# Altium PCB minnnnnnnn.PcbDoc
Units mm, origin at the board's own origin, x right, y up, seen from the top; angles counter-clockwise.
Board outline 131.62 x 119.43 mm, 2 copper layers (Top Layer, Bottom Layer); 86 components, 76 nets, 379 pads, 123 vias.
Unrouted connection lines stored in the file: 2.
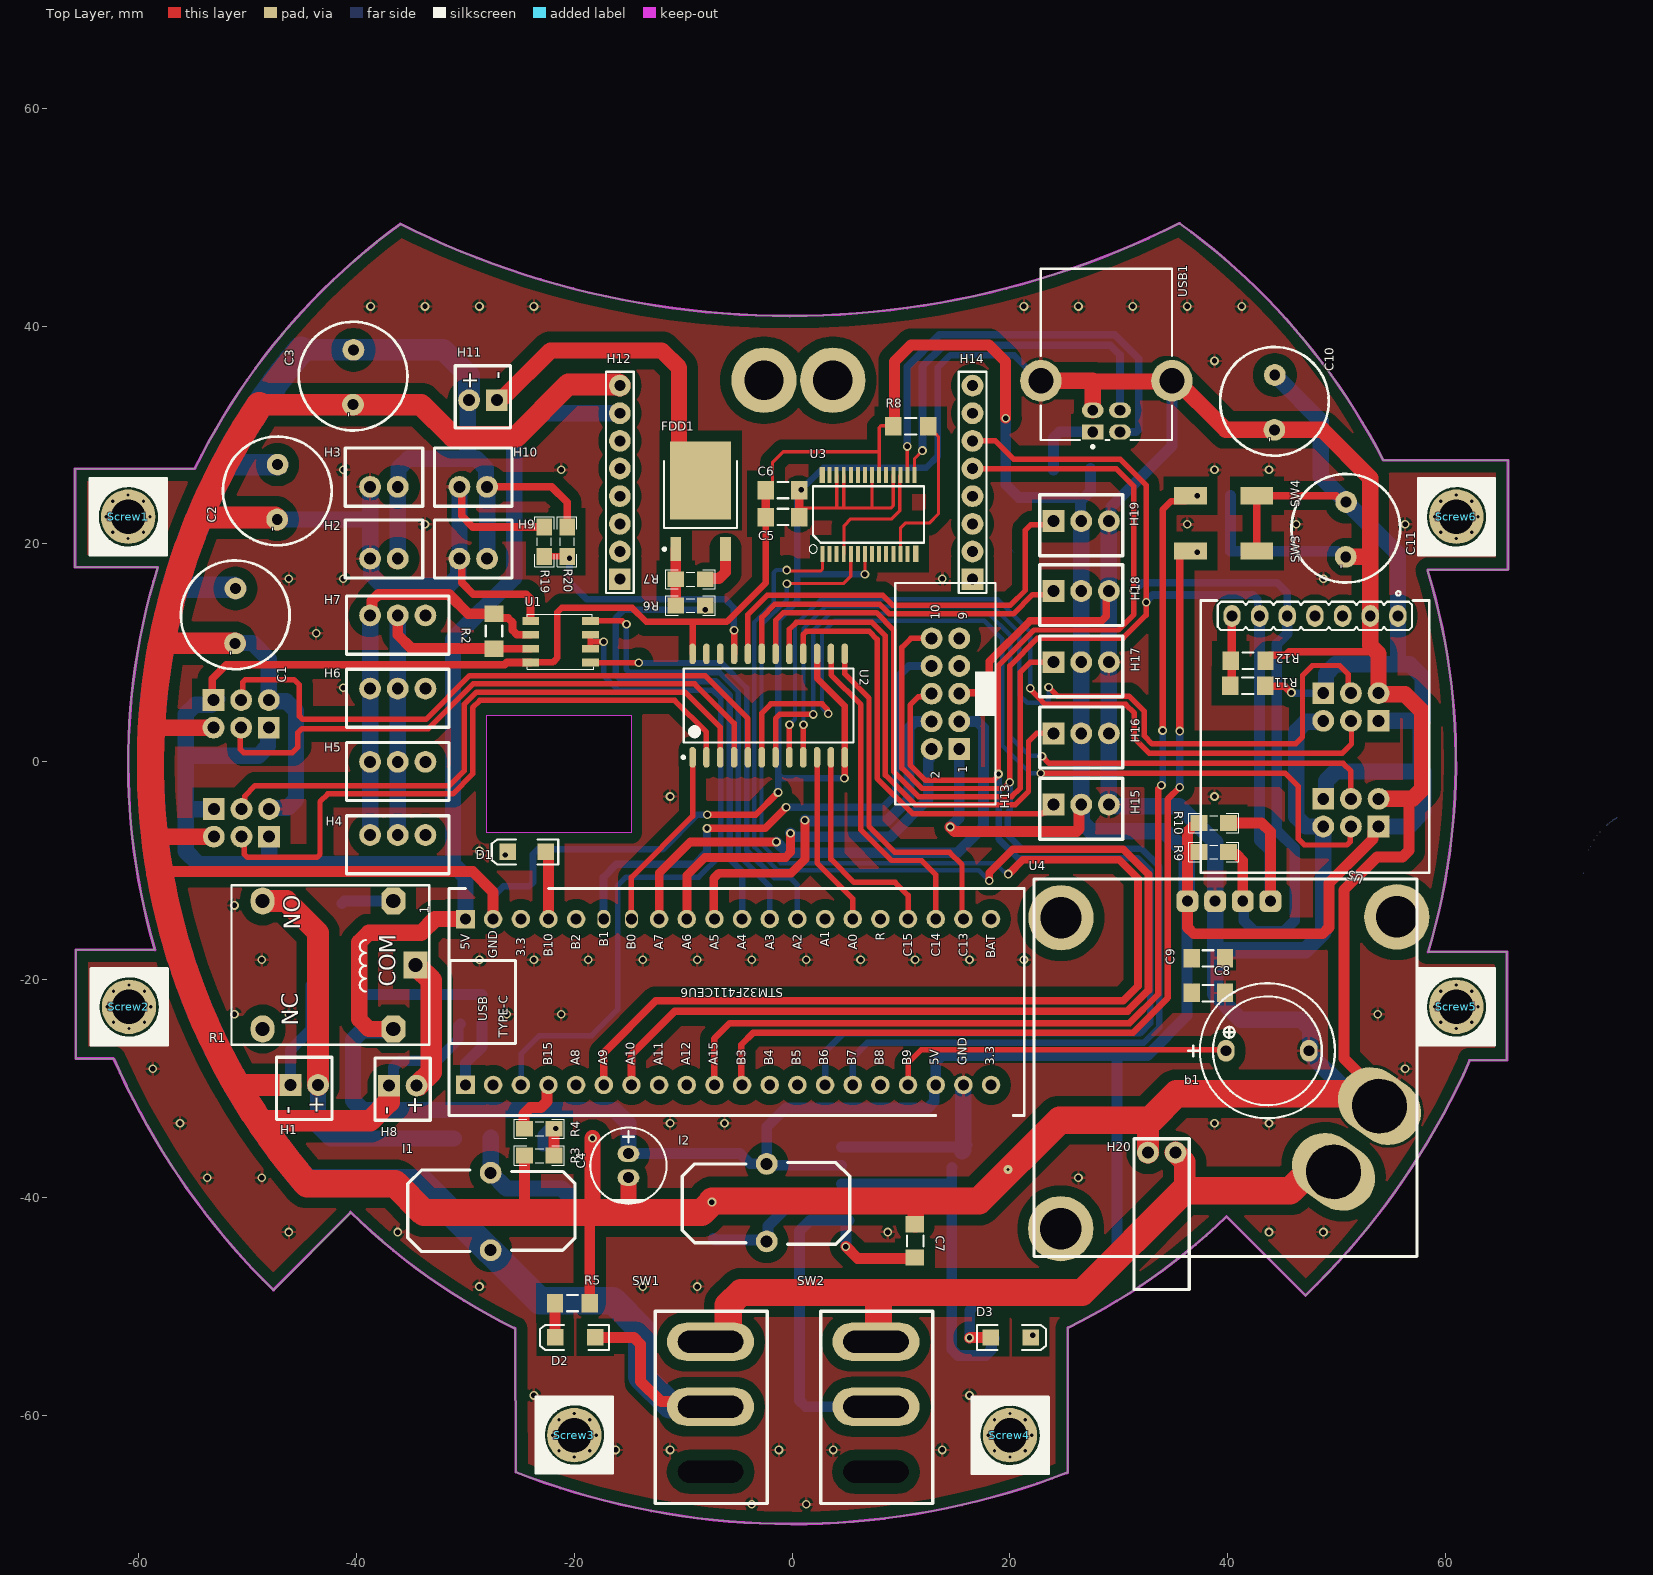
[diagram p0: Top Layer view]
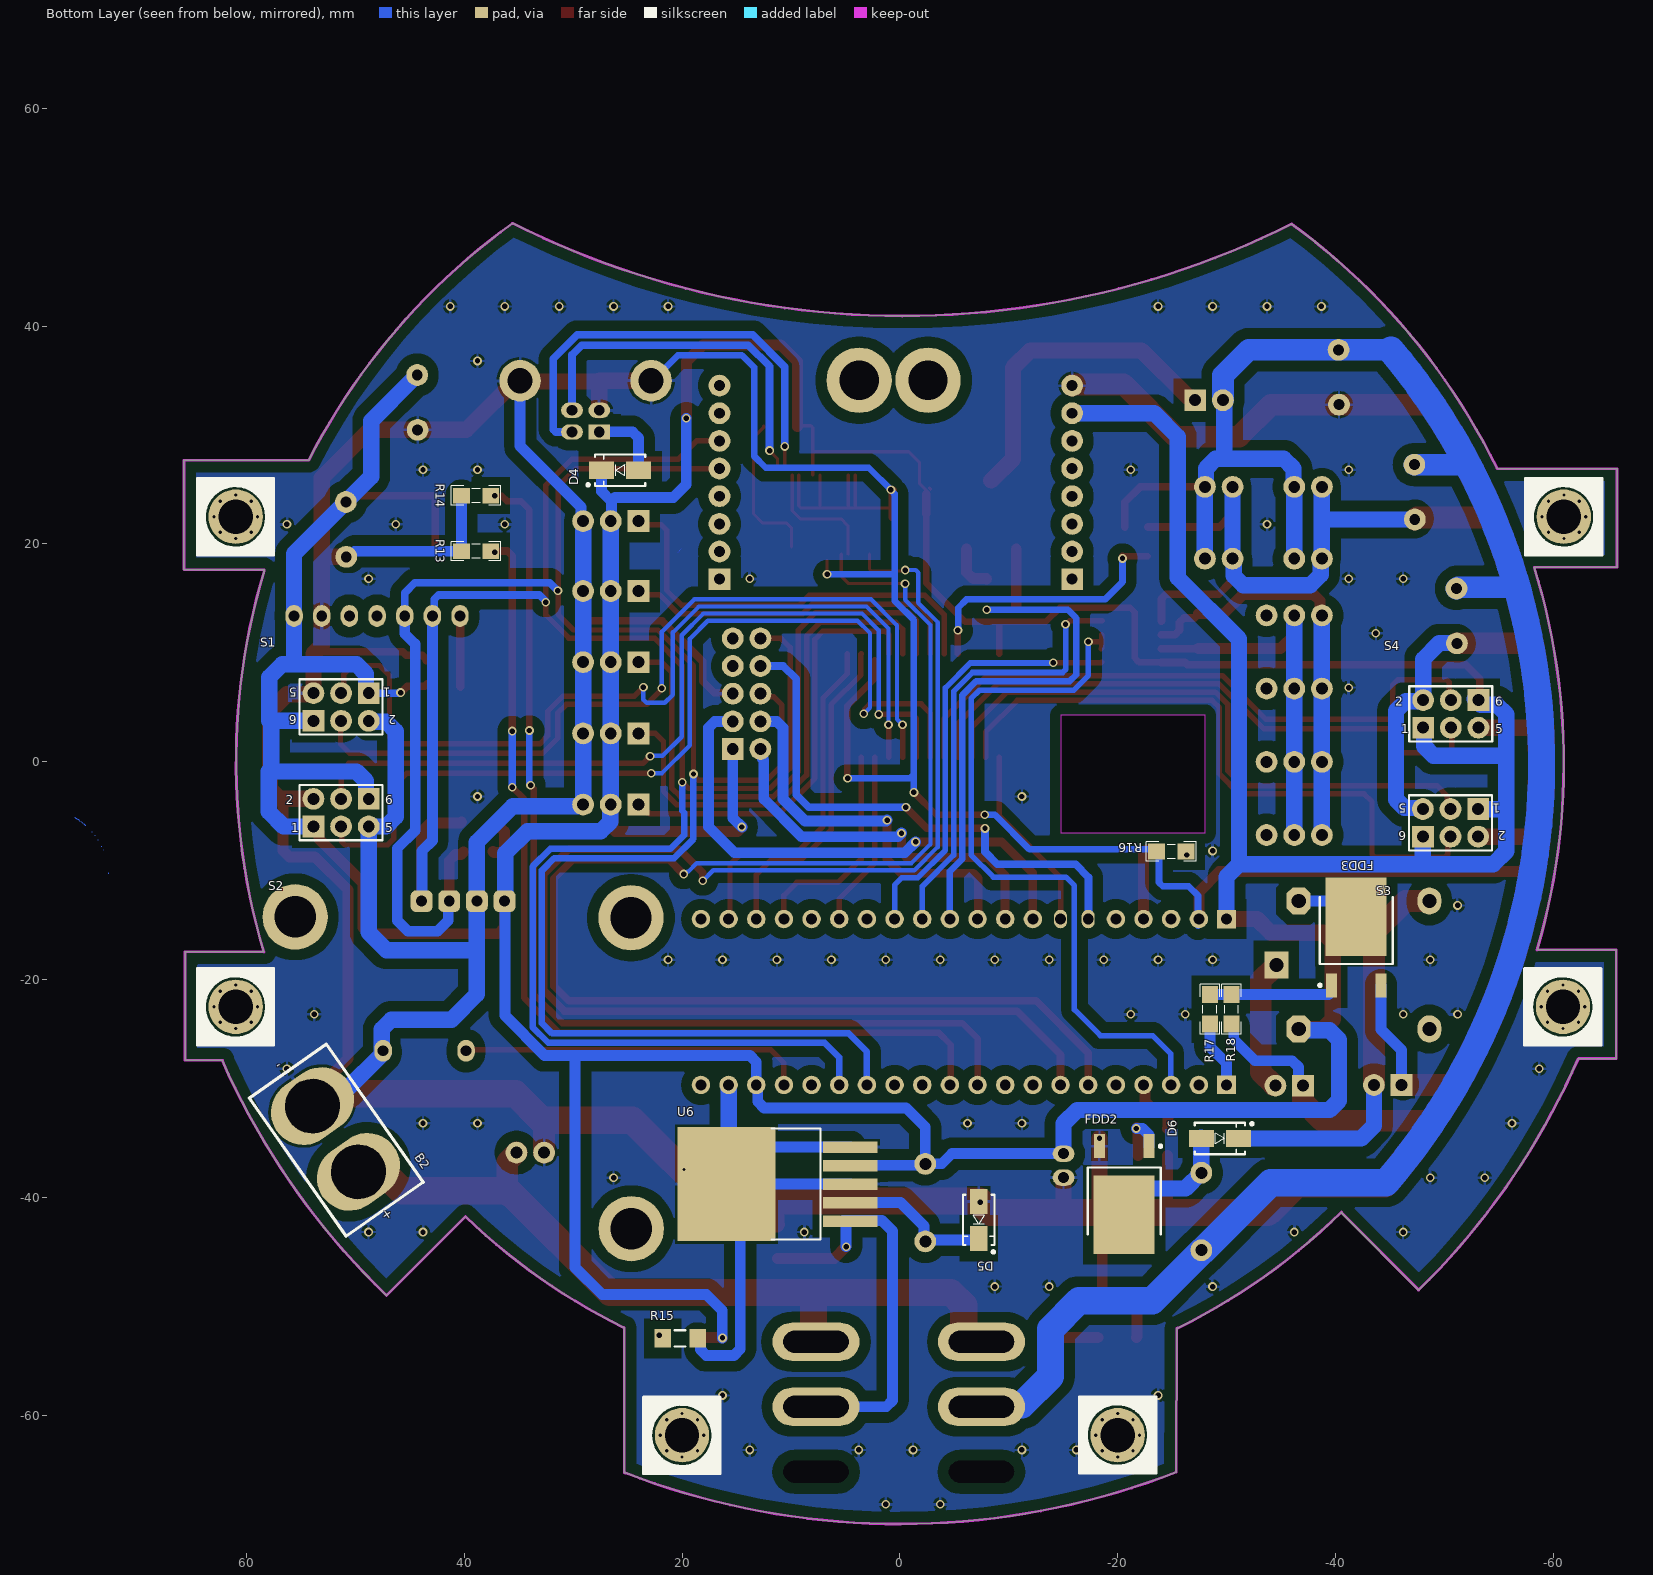
[diagram p1: Bottom Layer view, seen from below]
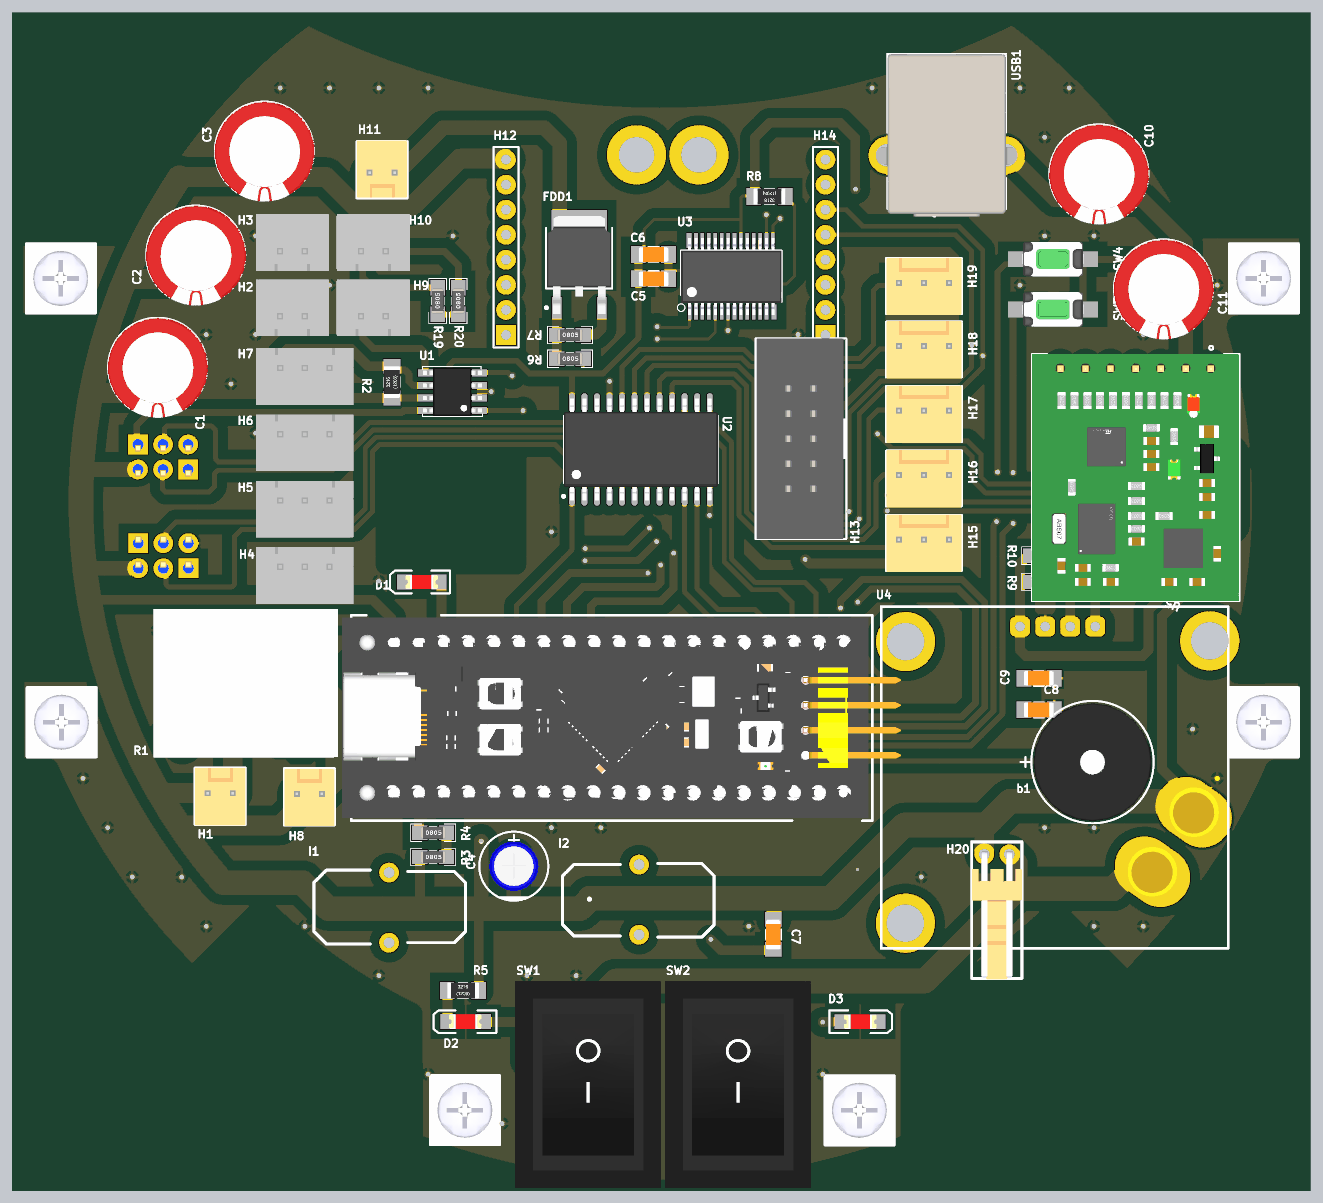
[diagram p2: 3D render of the assembled board from above, using the file's embedded part models]
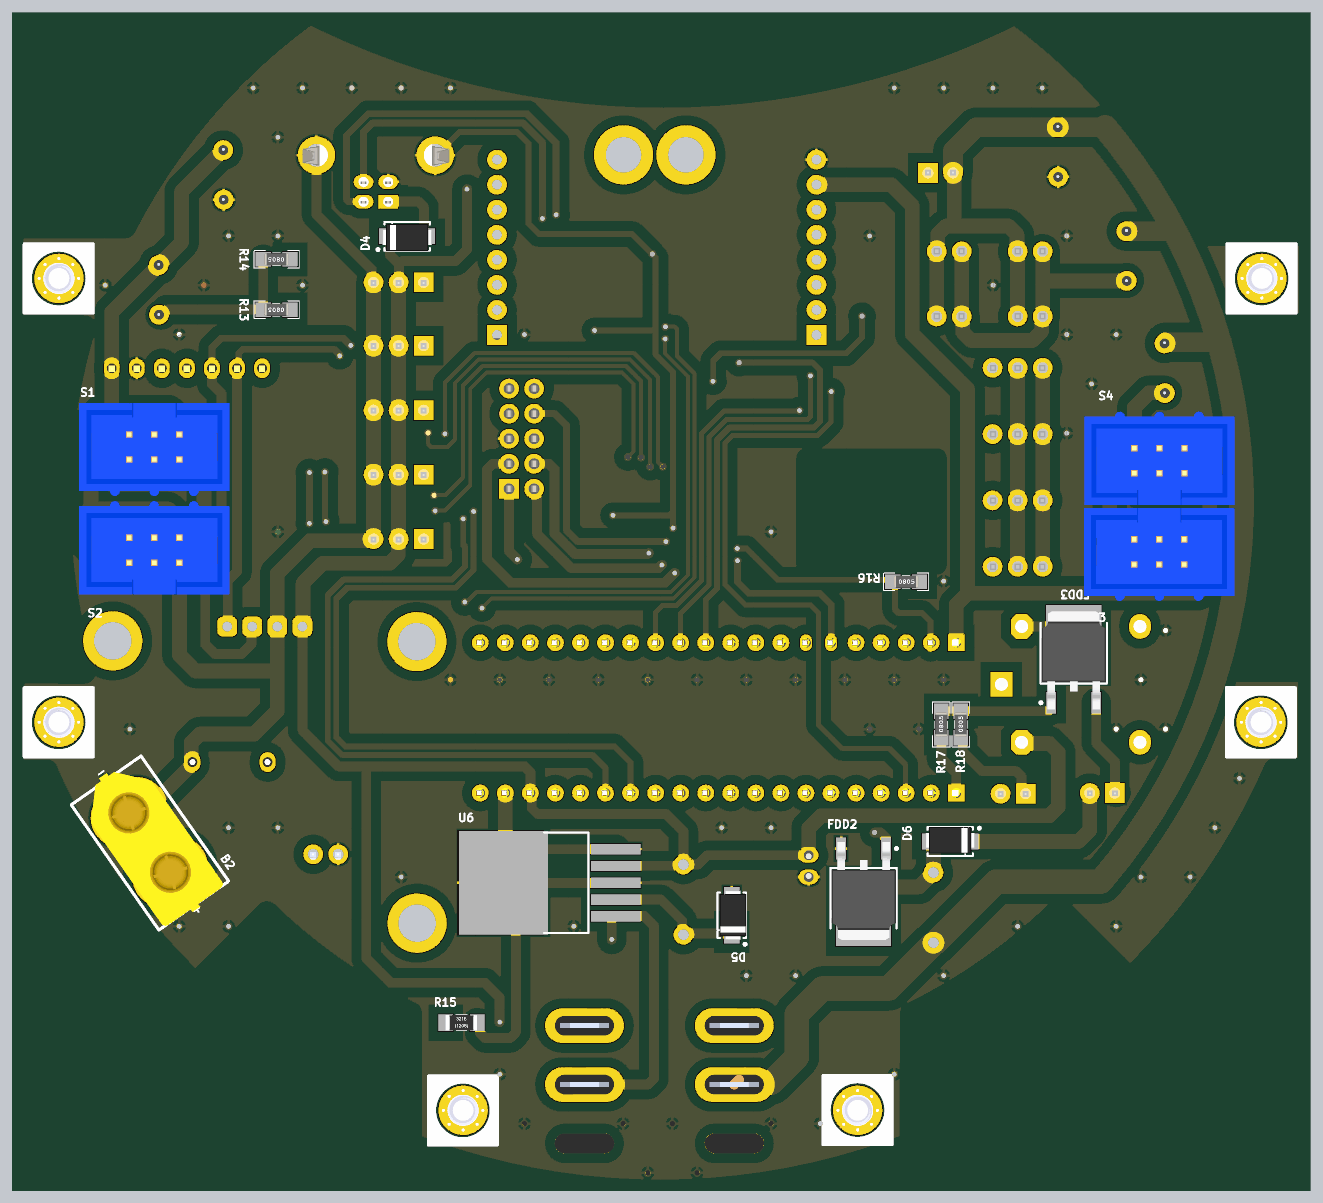
[diagram p3: 3D render of the assembled board from below, using the file's embedded part models]

## Layer stack, top to bottom
Top Solder: solder mask 0.0102, Solder Resist, Dk 3.5
Top Layer: signal copper 0.0356
Dielectric 1: dielectric 0.32, FR-4, Dk 4.8
Bottom Layer: signal copper 0.0356
Bottom Solder: solder mask 0.0102, Solder Resist, Dk 3.5

## Board outline
-47.637,-48.526 cw(c0,0) -62.277,-27.306 -62.332,-27.254 -65.761,-27.254 -65.786,-27.263 -65.786,-17.272 -58.522,-17.272 -58.519,-17.287 cw(c0.025,-0.152) -58.264,17.83 -58.293,17.856 -65.862,17.856 -65.862,26.848 -65.888,26.899 -54.966,26.899 -54.843,26.939 cw(c-0.076,0.076) -36.007,49.371 -35.997,49.392 ccw(c-0.272,120.673) 35.533,49.431 35.593,49.419 cw(c-0.025,-0.102) 54.276,27.689 54.331,27.686 65.735,27.686 65.735,17.653 65.684,17.628 58.369,17.628 58.372,17.517 cw(c-0.051,-0.025) 58.409,-17.446 58.394,-17.468 65.658,-17.451 65.634,-17.45 65.634,-27.407 62.205,-27.407 62.23,-27.413 cw(c0,0) 47.216,-48.935 47.142,-49.022 39.891,-41.77 39.892,-41.771 cw(c-0.186,-0.053) 25.347,-51.963 25.298,-51.973 25.298,-65.278 25.203,-65.306 cw(c0,0) -25.37,-65.241 -25.375,-65.227 -25.425,-52.049 -25.519,-52.011 cw(c0.025,0) -40.566,-41.352 -40.589,-41.453
cut-out: -28.042,-6.528 -28.042,4.267 -14.783,4.267 -14.783,-6.528

## Design rules (kind name [scope] priority, off if disabled: settings)
Clearance [All] p1: gap=0.254 ignorepadtopadclearanceinfootprint=FALSE except(0.5: Fill-Text Fill-Hole Poly-Text Poly-Hole Region-Text Region-Hole; 1: Arc-Fill Arc-Poly Arc-Region Track-Fill Track-Poly Track-Region SMDPad-Fill SMDPad-Poly SMDPad-Region THPad-Fill THPad-Poly THPad-Region Via-Fill Via-Poly Via-Region Fill-Fill Fill-Poly Fill-Region Poly-Poly Poly-Region Region-Region)
ComponentClearance [All] p1 off: gap=0.254 collisioncheckmode=3 verticalgap=0.254 showdistances=FALSE
Height [All] p1: minheight=0 maxheight=50 prefheight=12.7
HoleSize [All] p1: absolutevalues=TRUE maxlimit=50 minlimit=0.025 maxpercent=80.000 minpercent=20.000
PolygonConnect [All] p1: connectstyle=Relief reliefconductorwidth=0.254 reliefentries=4 polygonreliefangle="90 Angle" airgapwidth=0.254
RoutingVias [All] p1: holewidth=0.5 width=0.8 viastyle="Through Hole" minholewidth=0.5 minwidth=0.8 maxholewidth=2 maxwidth=2
SolderMaskExpansion [All] p1: expansion=0.102 istentingtop=FALSE
SupplyNets "Schematic Supply Nets_2" [InNet('+5')] p1: voltage=0.000
SupplyNets "Schematic Supply Nets_1" [InNet('+12')] p2: voltage=0.000
SupplyNets "Schematic Supply Nets" [InNet('GND')] p3: voltage=0.000
Width Width_Power [InNetClass('Power')] p1: maxlimit=5 minlimit=0.5 preferedwidth=3 minimp=50.000000 maximp=50.000000 favimp=50.000000
Width [All] p2: maxlimit=5 minlimit=0.3 preferedwidth=1 minimp=50.000000 maximp=50.000000 favimp=50.000000
27 further rules are at their usual default settings.

## Classes and differential pairs
component class Sheet1.~(21): D5 R17 S1 S2 S3 S4 Screw1 Screw2 Screw3 Screw4 Screw5 Screw6 U5

## Components (designator, comment, footprint, x,y, rotation, side; value= is the part's Value field where it differs from the comment)
1 "BlackPill" BlackPill -3.962,-21.869 r90 top locked (schematic designator *)
b1 "Comment" "BUZZER 7.62mm DC" 43.637,-26.543 r0 top
B2 "Comment" XT60 50.952,-35.89 r325 bottom
C1 "Comment" "MY_CAP_POL 10MM" -51.135,13.389 r270 top
C2 "Comment" "MY_CAP_POL 10MM" -47.269,24.765 r270 top
C3 "Comment" "MY_CAP_POL 10MM" -40.31,35.306 r270 top
C4 "100uf" "Cap 100uF" -14.961,-36.965 r180 top (schematic designator cap2)
C5 "smd" "Cap SMD" -0.889,22.454 r0 top (schematic designator cap3)
C6 "smd" "Cap SMD" -0.889,24.917 r0 top (schematic designator cap23)
C7 "smd" "Cap SMD" 11.278,-43.993 r270 top (schematic designator cap11)
C8 "smd" "Cap SMD" 38.226,-21.234 r180 top (schematic designator cap57)
C9 "smd" "Cap SMD" 38.226,-18.034 r180 top (schematic designator cap1)
C10 "Comment" "MY_CAP_POL 10MM" 44.298,32.995 r270 top
C11 "Comment" "MY_CAP_POL 10MM" 50.851,21.336 r270 top
D1 "SMD 1206 LED" "LED 1206" -24.384,-8.28 r180 top (schematic designator D2)
D2 "SMD" "LED SMD" -20.218,-52.832 r180 top (schematic designator LED2)
D3 "SMD" "LED SMD" 20.371,-52.896 r0 top (schematic designator LED1)
D4 "1n4007" DIOM4629X24N 25.679,26.772 r0 bottom (schematic designator D3)
D5 "1n4007" DIOM4629X24N -7.239,-42.064 r270 bottom (schematic designator D3)
D6 "1n4007" DIOM4629X24N -29.386,-34.595 r180 bottom (schematic designator D3)
FDD1 "Comment" TO252-3M -8.407,23.927 r90 top
FDD2 "Comment" TO252-3M -20.605,-39.706 r270 bottom
FDD3 "Comment" TO252-3M -41.91,-16.129 r90 bottom
H1 "Comment" "H2 MOLEX" -44.806,-30.062 r270 top
H2 "Comment" "XH 2pin" -37.49,19.533 r0 top
H3 "Comment" "XH 2pin" -37.49,26.137 r0 top
H4 "Comment" "XH 3PIN" -36.22,-7.62 r180 top
H5 "Comment" "XH 3PIN" -36.22,-0.897 r180 top
H6 "Comment" "XH 3PIN" -36.22,5.825 r180 top
H7 "Comment" "XH 3PIN" -36.22,12.548 r180 top
H8 "Comment" "H2 MOLEX" -35.763,-30.124 r270 top
H9 "Comment" "XH 2pin" -29.286,19.533 r0 top
H10 "Comment" "XH 2pin" -29.286,26.137 r0 top
H11 "Comment" "H2 MOLEX" -28.397,33.579 r90 top
H12 "Comment" HDR1X8 -15.824,16.764 r90 top locked
H13 "IDC2x5" "IDC 2x5" 13.945,6.299 r180 top locked (schematic designator Socket4)
H14 "Comment" HDR1X8 16.561,16.764 r90 top locked
H15 "Comment" "H3 MOLEX" 26.545,-3.932 r0 top locked
H16 "Comment" "H3 MOLEX" 26.545,2.604 r0 top locked
H17 "Comment" "H3 MOLEX" 26.545,9.141 r0 top locked
H18 "Comment" "H3 MOLEX" 26.545,15.677 r0 top locked
H19 "Comment" "H3 MOLEX" 26.545,22.098 r0 top locked
H20 "Comment" "H2 MOLEX ANGLE" 33.807,-39.573 r90 top
I1 "Comment" inductor -27.813,-41.3 r90 top
I2 "Comment" inductor -2.21,-40.488 r270 top
R1 "Comment" "Relay 18.85x15.35x15.70" -41.602,-18.661 r90 top
R2 "SMD" "Resistor SMD 1206" -27.381,11.989 r90 top (schematic designator RES5)
R3 "Comment" RESC3413X04N -23.216,-36.17 r0 top
R4 "Comment" RESC3413X04N -23.216,-33.706 r0 top
R5 "SMD" "Resistor SMD 1206" -20.186,-49.708 r0 top (schematic designator RES9)
R6 "Comment" RESC3413X04N -9.337,14.351 r0 top
R7 "Comment" RESC3413X04N -9.337,16.764 r0 top
R8 "SMD" "Resistor SMD 1206" 10.885,30.81 r180 top (schematic designator RES1)
R9 "1K" RESC3413X04N 38.713,-8.28 r180 top (schematic designator R34)
R10 "1K" RESC3413X04N 38.713,-5.612 r180 top (schematic designator R35)
R11 "SMD" "Resistor SMD 1206" 41.834,6.985 r0 top (schematic designator RES2)
R12 "SMD" "Resistor SMD 1206" 41.859,9.271 r180 top (schematic designator RES3)
R13 "Comment" RESC3413X04N 38.913,19.329 r0 bottom
R14 "Comment" RESC3413X04N 38.913,24.435 r0 bottom
R15 "SMD" "Resistor SMD 1206" 20.168,-52.959 r180 bottom (schematic designator RES8)
R16 "1K" RESC3413X04N -24.917,-8.255 r180 bottom (schematic designator R22)
R17 "Comment" RESC3413X04N -28.473,-22.733 r90 bottom
R18 "Comment" RESC3413X04N -30.463,-22.733 r90 bottom
R19 "Comment" RESC3413X04N -22.758,20.201 r90 top
R20 "Comment" RESC3413X04N -20.664,20.201 r90 top
S1 "IDC 2X3" "IDC 2X3" 51.308,5.029 r0 bottom
S2 "IDC 2X3" "IDC 2X3" 51.308,-4.674 r180 bottom
S3 "IDC 2X3" "IDC 2X3" -50.571,-5.613 r0 bottom
S4 "IDC 2X3" "IDC 2X3" -50.597,4.394 r180 bottom
Screw1 "Screw" Screw -60.981,22.5 r0 top locked
Screw2 "Screw" Screw -60.9,-22.5 r0 top
Screw3 "Screw" Screw -20,-61.846 r90 top locked
Screw4 "Screw" Screw 20,-61.846 r0 top locked
Screw5 "Screw" Screw 60.982,-22.5 r0 top locked
Screw6 "Screw" Screw 60.982,22.5 r0 top locked
SW1 "Comment" rocker -7.493,-59.233 r0 top
SW2 "Comment" rocker 7.696,-59.233 r0 top
SW3 "Comment" SMD_ALPS_SKQMBBE010#1 39.624,19.355 r0 top
SW4 "Comment" SMD_ALPS_SKQMBBE010#2 39.624,24.465 r0 top
U1 "SN65LB" SOIC8 -21.147,10.852 r180 top (schematic designator evajedi)
U2 "Comment" 4067 -2.159,5.156 r90 top
U3 "INTERFACE-FT232RL(SSOP28)" SSOP28-0.65-10.2X5.2MM 7.01,22.708 r0 top locked (schematic designator U1)
U4 "Comment" "SH1106 [ GND LEFT]" 16.993,-48.743 r0 top locked
U5 "TDAxis12" TDAxis12 48.006,13.311 r180 top locked (schematic designator U2)
U6 "LM2576" D2PAK 12.305,-38.808 r0 bottom (schematic designator Regulator1)
USB1 "USB_B" USB_B.1 28.849,32.632 r90 top locked (schematic designator "USB B1")

## Footprints (in the part's own frame and the unit in brackets; to place one, negate y for a bottom-side part, rotate by r counter-clockwise, add the part's x,y. Pads: shape width x height; smd on the part's side, far side on the other; paste and mask are expansions set on the pad)
4067 [mm] "SOP, 24-Leads, Body 15.40x7.50mm, Pitch 1.27mm, IPC Medium Density"
  oval 1.9x0.6 smd: 1(-4.75,6.985) 2(-4.75,5.715) 3(-4.75,4.445) 4(-4.75,3.175) 5(-4.75,1.905) 6(-4.75,0.635) 7(-4.75,-0.635) 8(-4.75,-1.905) 9(-4.75,-3.175) 10(-4.75,-4.445) 11(-4.75,-5.715) 12(-4.75,-6.985) 13(4.75,-6.985) 14(4.75,-5.715) 15(4.75,-4.445) 16(4.75,-3.175) 17(4.75,-1.905) 18(4.75,-0.635) 19(4.75,0.635) 20(4.75,1.905) 21(4.75,3.175) 22(4.75,4.445) 23(4.75,5.715) 24(4.75,6.985)
  silkscreen extent -4.87,-7.8 3.4,7.96, body extent -5.15,-7.8 5.15,7.8, height 2.65
BlackPill [mm]
  rect 1.7x1.7 hole 1 paste-2539.97 mask+0.102: 1(-7.812,26.036) 40(7.428,26.036)
  round 1.7 hole 1 paste-2539.97 mask+0.102: 2(-7.812,23.496) 3(-7.812,20.956) 4(-7.812,18.416) 5(-7.812,15.876) 6(-7.812,13.336) 7(-7.812,10.796) 8(-7.812,8.256) 9(-7.812,5.716) 10(-7.812,3.176) 11(-7.812,0.636) 12(-7.812,-1.904) 13(-7.812,-4.444) 14(-7.812,-6.984) 15(-7.812,-9.524) 16(-7.812,-12.064) 17(-7.812,-14.604) 18(-7.812,-17.144) 19(-7.812,-19.684) 20(-7.812,-22.224) 21(7.428,-22.224) 22(7.428,-19.684) 23(7.428,-17.144) 24(7.428,-14.604) 25(7.428,-12.064) 26(7.428,-9.524) 27(7.428,-6.984) 28(7.428,-4.444) 29(7.428,-1.904) 30(7.428,0.636) 31(7.428,3.176) 32(7.428,5.716) 33(7.428,8.256) 36(7.428,15.876) 37(7.428,18.416) 38(7.428,20.956) 39(7.428,23.496)
  oval 1.7x1.2 hole 1 paste-2539.97 mask+0.102: 34(7.428,10.796) 35(7.428,13.336)
  silkscreen extent -10.61,-25.27 10.22,27.56, body extent -10.34,-28.17 9.98,28.47, height 13.16
"BUZZER 7.62mm DC" [mm] "BUZZER 12mm DIA , 7.62mm pitch DESIGNER ABBAS BASEREH"
  oval 1.6x2 hole 1: 1(-3.81,0) 2(3.81,0)
  silkscreen extent -7.3,-6.2 6.2,6.2, body extent -6,-6 6,6, height 9.5
"Cap 100uF" [mm]
  oval 2x1.5 hole 1: 1(0.076,-0.973) 2(0.076,1.227)
  silkscreen extent -3.42,-3.37 3.58,3.63, body extent -2.45,-2.4 2.6,2.65, height 11.53
"Cap SMD" [mm]
  rect 1.5x1.7 smd: 1(-1.525,0) 2(1.525,0)
  silkscreen extent -0.47,-0.72 0.53,0.78, body extent -1.49,-0.76 1.55,0.76, height 0.75
D2PAK [mm] "LM2576"
  rect 5x1.05 smd paste-25.4 mask-25.4: 1(-7.758,3.375) 2(-7.758,1.675) 3(-7.758,-0.025) 4(-7.758,-1.725) 5(-7.758,-3.425)
  rect 9x10.5 smd mask-25.4: 6(3.592,-0.025)
  silkscreen extent -5.01,-5.13 -0.51,5.07, body extent -7.37,-5.08 6.86,5.08, height 4.87
DIOM4629X24N [mm] "Molded Diode, 2-Leads, Body 4/60x2/90mm, IPC Medium Density-Design:Abbas Basereh"
  rect 2.3x1.6 smd: 1(-1.7,0) 2(1.7,0)
  silkscreen extent -2.3,-1.45 3.08,1.47, body extent -2.5,-1.22 2.5,1.48, height 2.2
"H2 MOLEX" [mm]
  round 2 hole 1.1: 1(-0.381,1.27)
  rect 2x2 hole 1.1: 2(-0.381,-1.27)
  silkscreen extent -2.92,-2.54 2.79,2.54, body extent -2.9,-2.54 2.9,2.54, height 11.24
"H2 MOLEX ANGLE" [mm]
  round 2 hole 1.1: 1(3.683,1.143) 2(3.683,-1.397)
  silkscreen extent -8.89,-2.67 4.95,2.41, body extent -9,-2.67 3.97,2.41, height 5.87
"H3 MOLEX" [mm]
  rect 2x2 hole 1.1: 1(-2.54,0)
  round 2 hole 1.1: 2(0,0) 3(2.54,0)
  silkscreen extent -3.81,-3.17 3.81,2.41, body extent -3.81,-3.31 3.81,2.49, height 11.25
HDR1X8 [mm] "Connector; Header; 8 Position"
  rect 2x2 hole 1: 1(0,0)
  round 2 hole 1: 2(2.54,0) 3(5.08,0) 4(7.62,0) 5(10.16,0) 6(12.7,0) 7(15.24,0) 8(17.78,0)
  silkscreen extent -1.27,-1.27 19.05,1.27
"IDC 2X3" [mm] "DS1013-6"
  rect 2x2 hole 1.1: 1(-2.54,-1.27) 6(2.54,1.27)
  round 2 hole 1.1: 2(-2.54,1.27) 3(0,-1.27) 4(0,1.27) 5(2.54,-1.27)
  silkscreen extent -3.81,-2.54 3.81,2.54, body extent -7.62,-4.86 7.62,4.59, height 9.1
"IDC 2x5" [mm] "DS1013-10"
  rect 2x2 hole 1.1: 1(-1.397,5.131)
  round 2 hole 1.1: 2(1.143,5.131) 3(-1.397,2.591) 4(1.143,2.591) 5(-1.397,0.051) 6(1.143,0.051) 7(-1.397,-2.489) 8(1.143,-2.489) 9(-1.397,-5.029) 10(1.143,-5.029)
  silkscreen extent -4.73,-10.11 4.47,10.21, body extent -4.45,-10.11 4.36,10.21, height 9
inductor [mm]
  round 2 hole 1.1: 1(-3.556,-0.127) 2(3.556,-0.127)
  silkscreen extent -3.68,-7.87 3.81,7.49, body extent -4.15,-8.42 4.15,8.17, height 16.29
"LED 1206" [mm]
  rect 1.5x1.5 smd: 1(-1.75,0) 2(1.75,0)
  silkscreen extent -2.9,-1.15 3.2,1.15, body extent -1.65,-0.72 1.65,0.73, height 1.36
"LED SMD" [mm]
  rect 1.5x1.5 smd: 1(-2.125,0.025) 2(1.525,0.025)
  silkscreen extent -3.4,-1.12 2.95,1.18, body extent -1.92,-0.7 1.38,0.75, height 1.36
"MY_CAP_POL 10MM" [mm]
  round 2 hole 1: +(-2.517,0.02) -(2.517,-0.02)
  silkscreen extent -5.09,-5 4.89,4.98, body extent -5.13,-5.07 5.03,5.09, height 10.16
"Relay 18.85x15.35x15.70" [mm]
  rect 2.5x2.2 hole 1.3: 1(0,-7.025)
  oval 2.5x2.2 hole 1.3: 2(-5.875,7.025) 3(5.875,7.025)
  oct 2.5x2.2 hole 1.3: 4(-5.875,-4.975) 5(5.875,-4.975)
  silkscreen extent -7.33,-8.27 7.33,9.88, body extent -7.37,-8.72 7.63,9.98, height 15.7
RESC3413X04N [mm] "Chip Resistor, 2-Leads, Body 3/40x1/30mm, IPC Medium Density-Design:Abbas Basereh"
  rect 1.55x1.45 smd: 1(-1.35,0) 2(1.35,0)
  silkscreen extent -2.29,-0.89 2.29,0.89, body extent -1.25,-0.62 1.25,0.62, height 0.79
"Resistor SMD 1206" [mm]
  rect 1.5x1.7 smd: 1(-1.6,0) 2(1.6,0)
  silkscreen extent -0.5,-0.75 0.5,0.75, body extent -1.6,-0.8 1.6,0.8, height 0.55
rocker [mm]
  oval 8x3.5 hole 2 slot 6 at 0 deg: 1(0,5.969) 2(0,0)
  oval 5x1 hole 2 slot 6 at 0 deg: 3(0,-5.969)
  silkscreen extent -5.08,-8.89 5.21,8.76, body extent -7.4,-10.5 7.4,10.5, height 16.8
Screw [mm]
  round 0.6 hole 0.3: S(-2,0) S(-1.414,-1.414) S(-1.414,1.414) S(0,-2) S(0,2) S(1.414,-1.414) S(1.414,1.414) S(2,0)
  round 5 hole 3.15 mask+0.1: S(0,0)
  silkscreen extent -3.49,-3.53 3.56,3.52, body extent -2.8,-2.8 2.8,2.8, height 3.88
"SH1106 [ GND LEFT]" [mm]
  rrect50% 2x2 hole 1: 1(21.844,35.941) 2(19.304,35.941) 3(24.384,35.941) 4(26.924,35.941)
  round 6 hole 3.8: 139(38.532,34.493) 140(7.696,34.417) 141(7.671,5.867)
  silkscreen extent 5.21,3.3 40.39,37.97, body extent 5.11,3.21 41.11,37.21, height 9.6
SMD_ALPS_SKQMBBE010#1 [mm] "Vertical 6.0X3.5 mm Compact Type (SurfaceMount) SKQM Series ; Height 5.0 mm ; 50,000 Cycles ; 1.57N Force"
  rect 3x1.6 smd mask-1.27: 1(-3.048,0) 2(3.048,0)
  body extent -3.15,-1.75 3.15,1.75, height 5.03
SMD_ALPS_SKQMBBE010#2 [mm] "Vertical 6.0X3.5 mm Compact Type (SurfaceMount) SKQM Series ; Height 5.0 mm ; 50,000 Cycles ; 1.57N Force"
  rect 3x1.6 smd mask-1.27: 1(-3.048,-0.03) 2(3.048,-0.03)
  body extent -3.15,-1.75 3.15,1.75, height 5.03
SOIC8 [mm]
  rect 1.524x0.7 smd: 1(-2.624,1.733) 2(-2.624,0.463) 3(-2.624,-0.807) 4(-2.624,-2.077) 5(2.856,-2.077) 6(2.856,-0.807) 7(2.856,0.463) 8(2.856,1.733)
  silkscreen extent -2.93,-2.71 3.16,2.37, body extent -2.88,-2.62 3.12,2.28, height 1.75
SSOP28-0.65-10.2X5.2MM [mm]
  rect 0.365x1.5 smd: 1(-4.225,-3.625) 2(-3.575,-3.625) 3(-2.925,-3.625) 4(-2.275,-3.625) 5(-1.625,-3.625) 6(-0.975,-3.625) 7(-0.325,-3.625) 8(0.325,-3.625) 9(0.975,-3.625) 10(1.625,-3.625) 11(2.275,-3.625) 12(2.925,-3.625) 13(3.575,-3.625) 15(4.225,3.625) 16(3.575,3.625) 17(2.925,3.625) 18(2.275,3.625) 19(1.625,3.625) 20(0.975,3.625) 21(0.325,3.625) 22(-0.325,3.625) 23(-0.975,3.625) 24(-1.625,3.625) 25(-2.275,3.625) 26(-2.925,3.625) 27(-3.575,3.625)